# Altium PCB 小车PCB升级1.PcbDoc (part 1 of 4)
Units mm, origin at the board's own origin, x right, y up, seen from the top; angles counter-clockwise.
Board outline 300 x 206 mm, 2 copper layers (Top Layer, Bottom Layer); 354 components, 360 nets, 1479 pads, 401 vias.
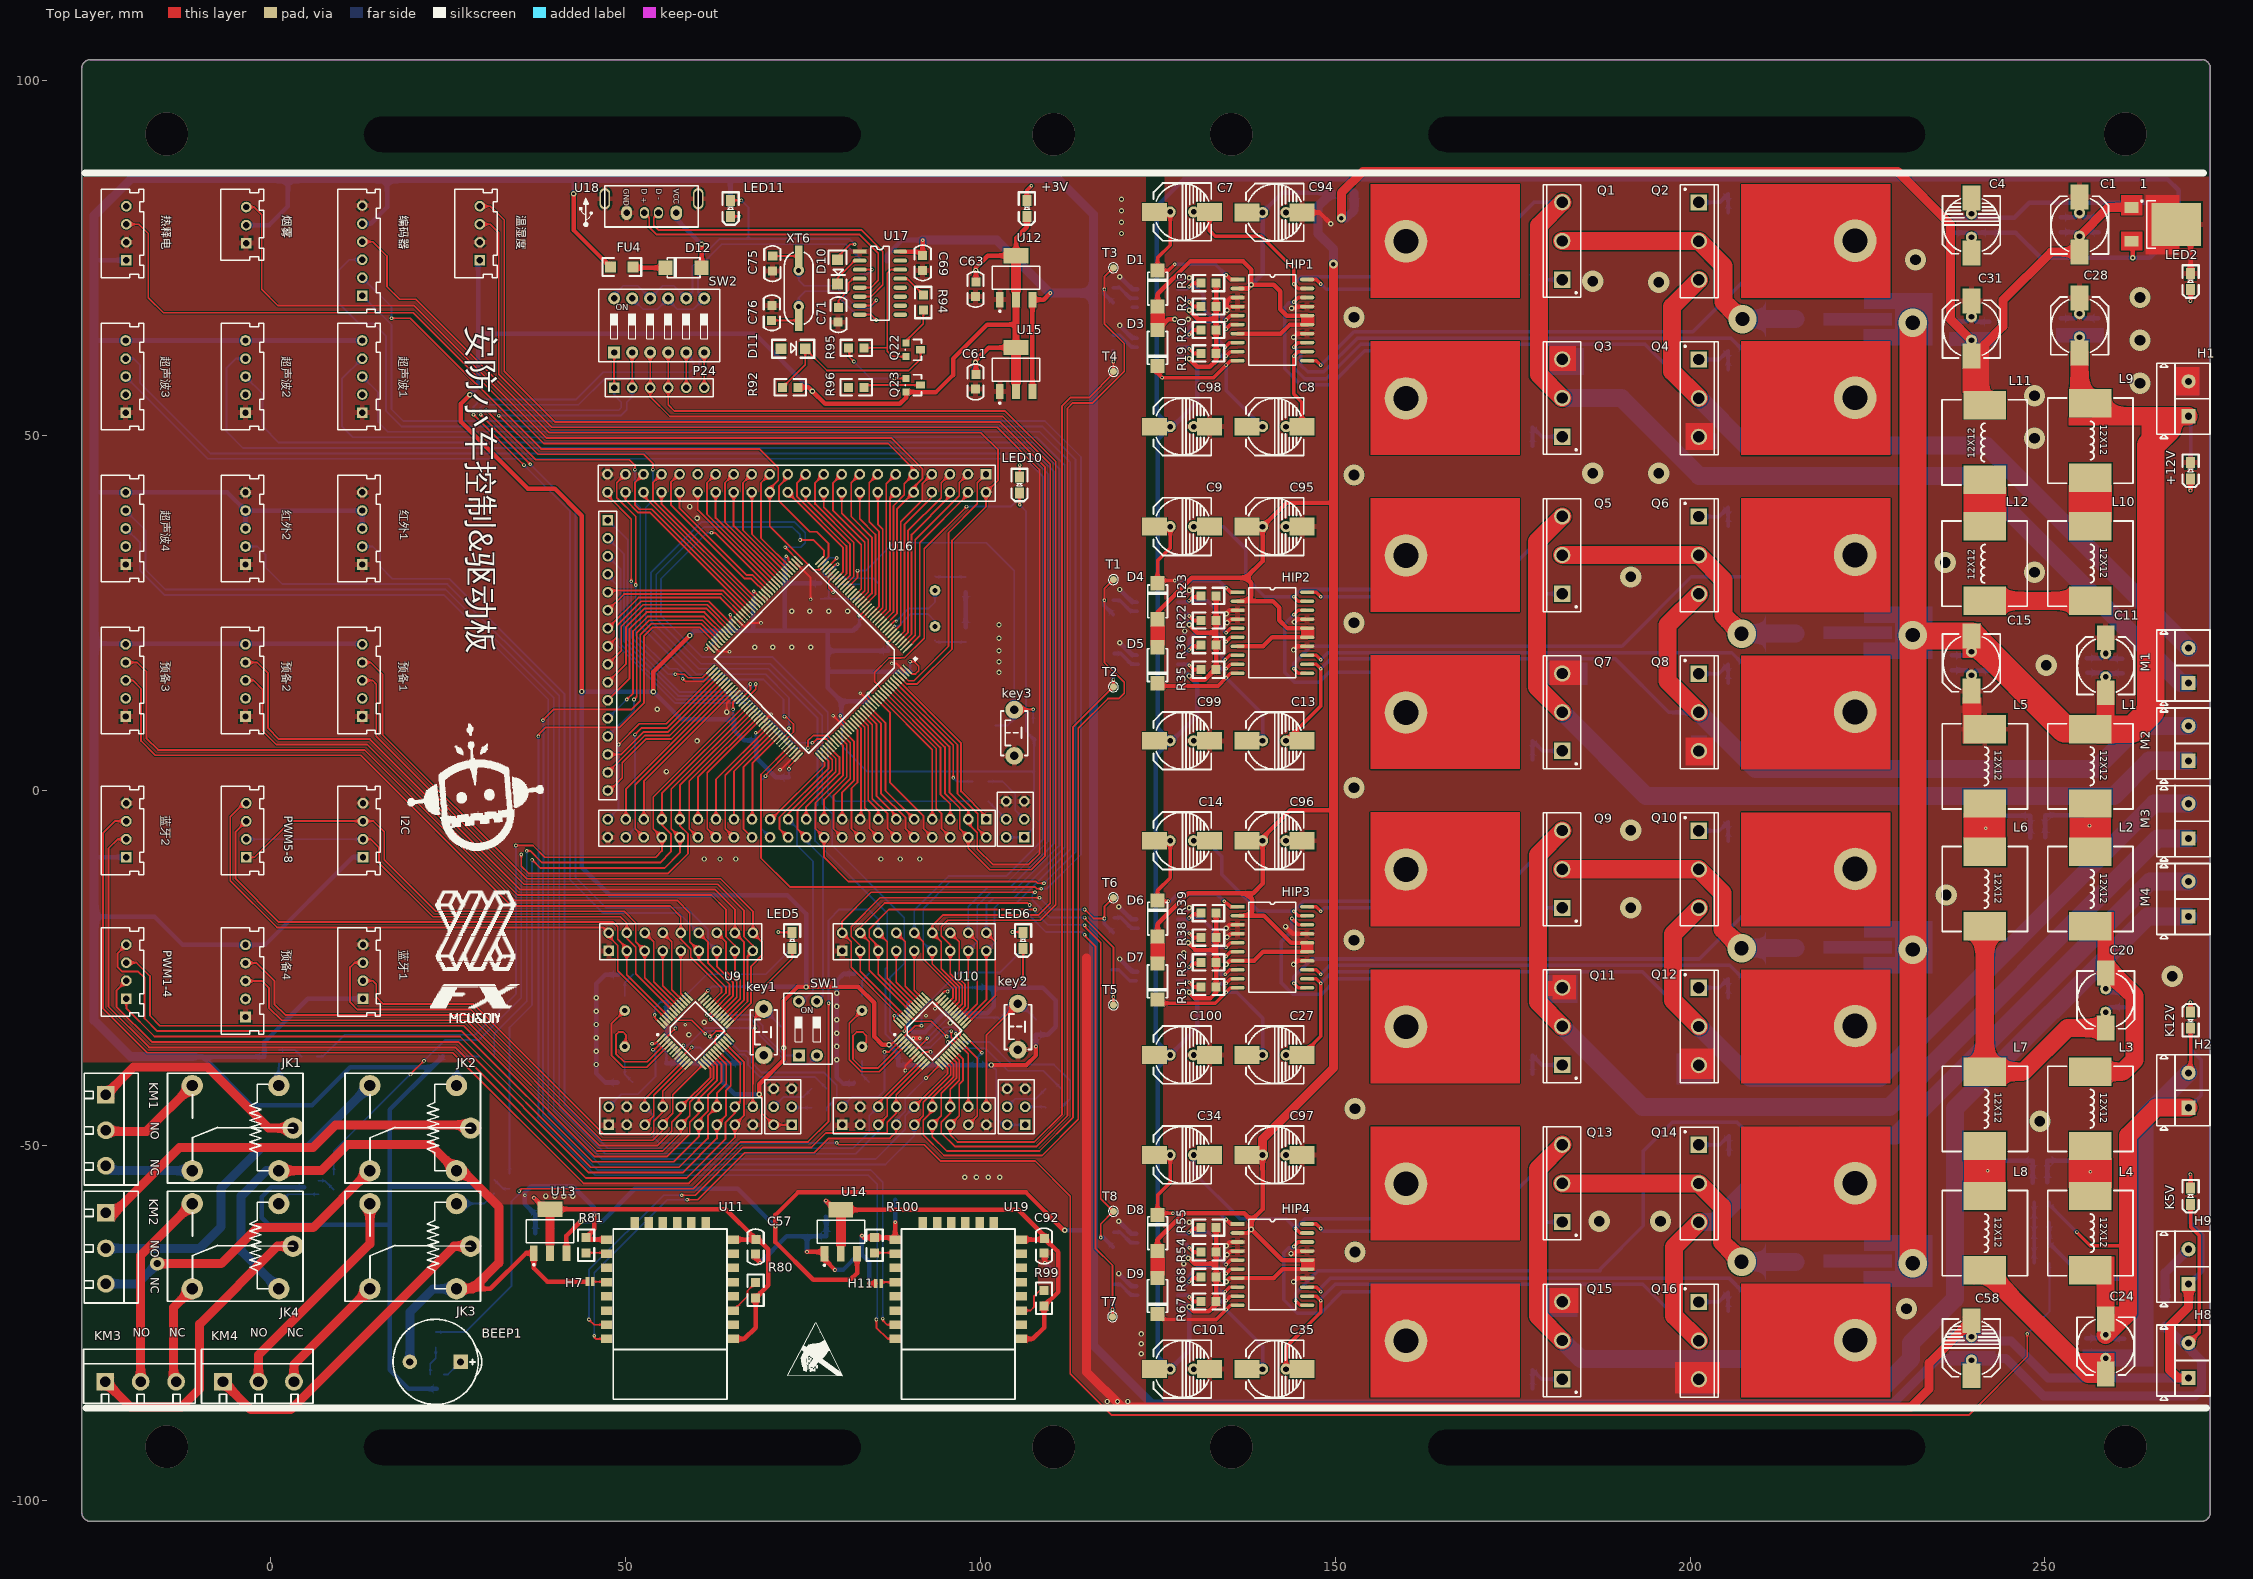
[diagram p0: Top Layer view]
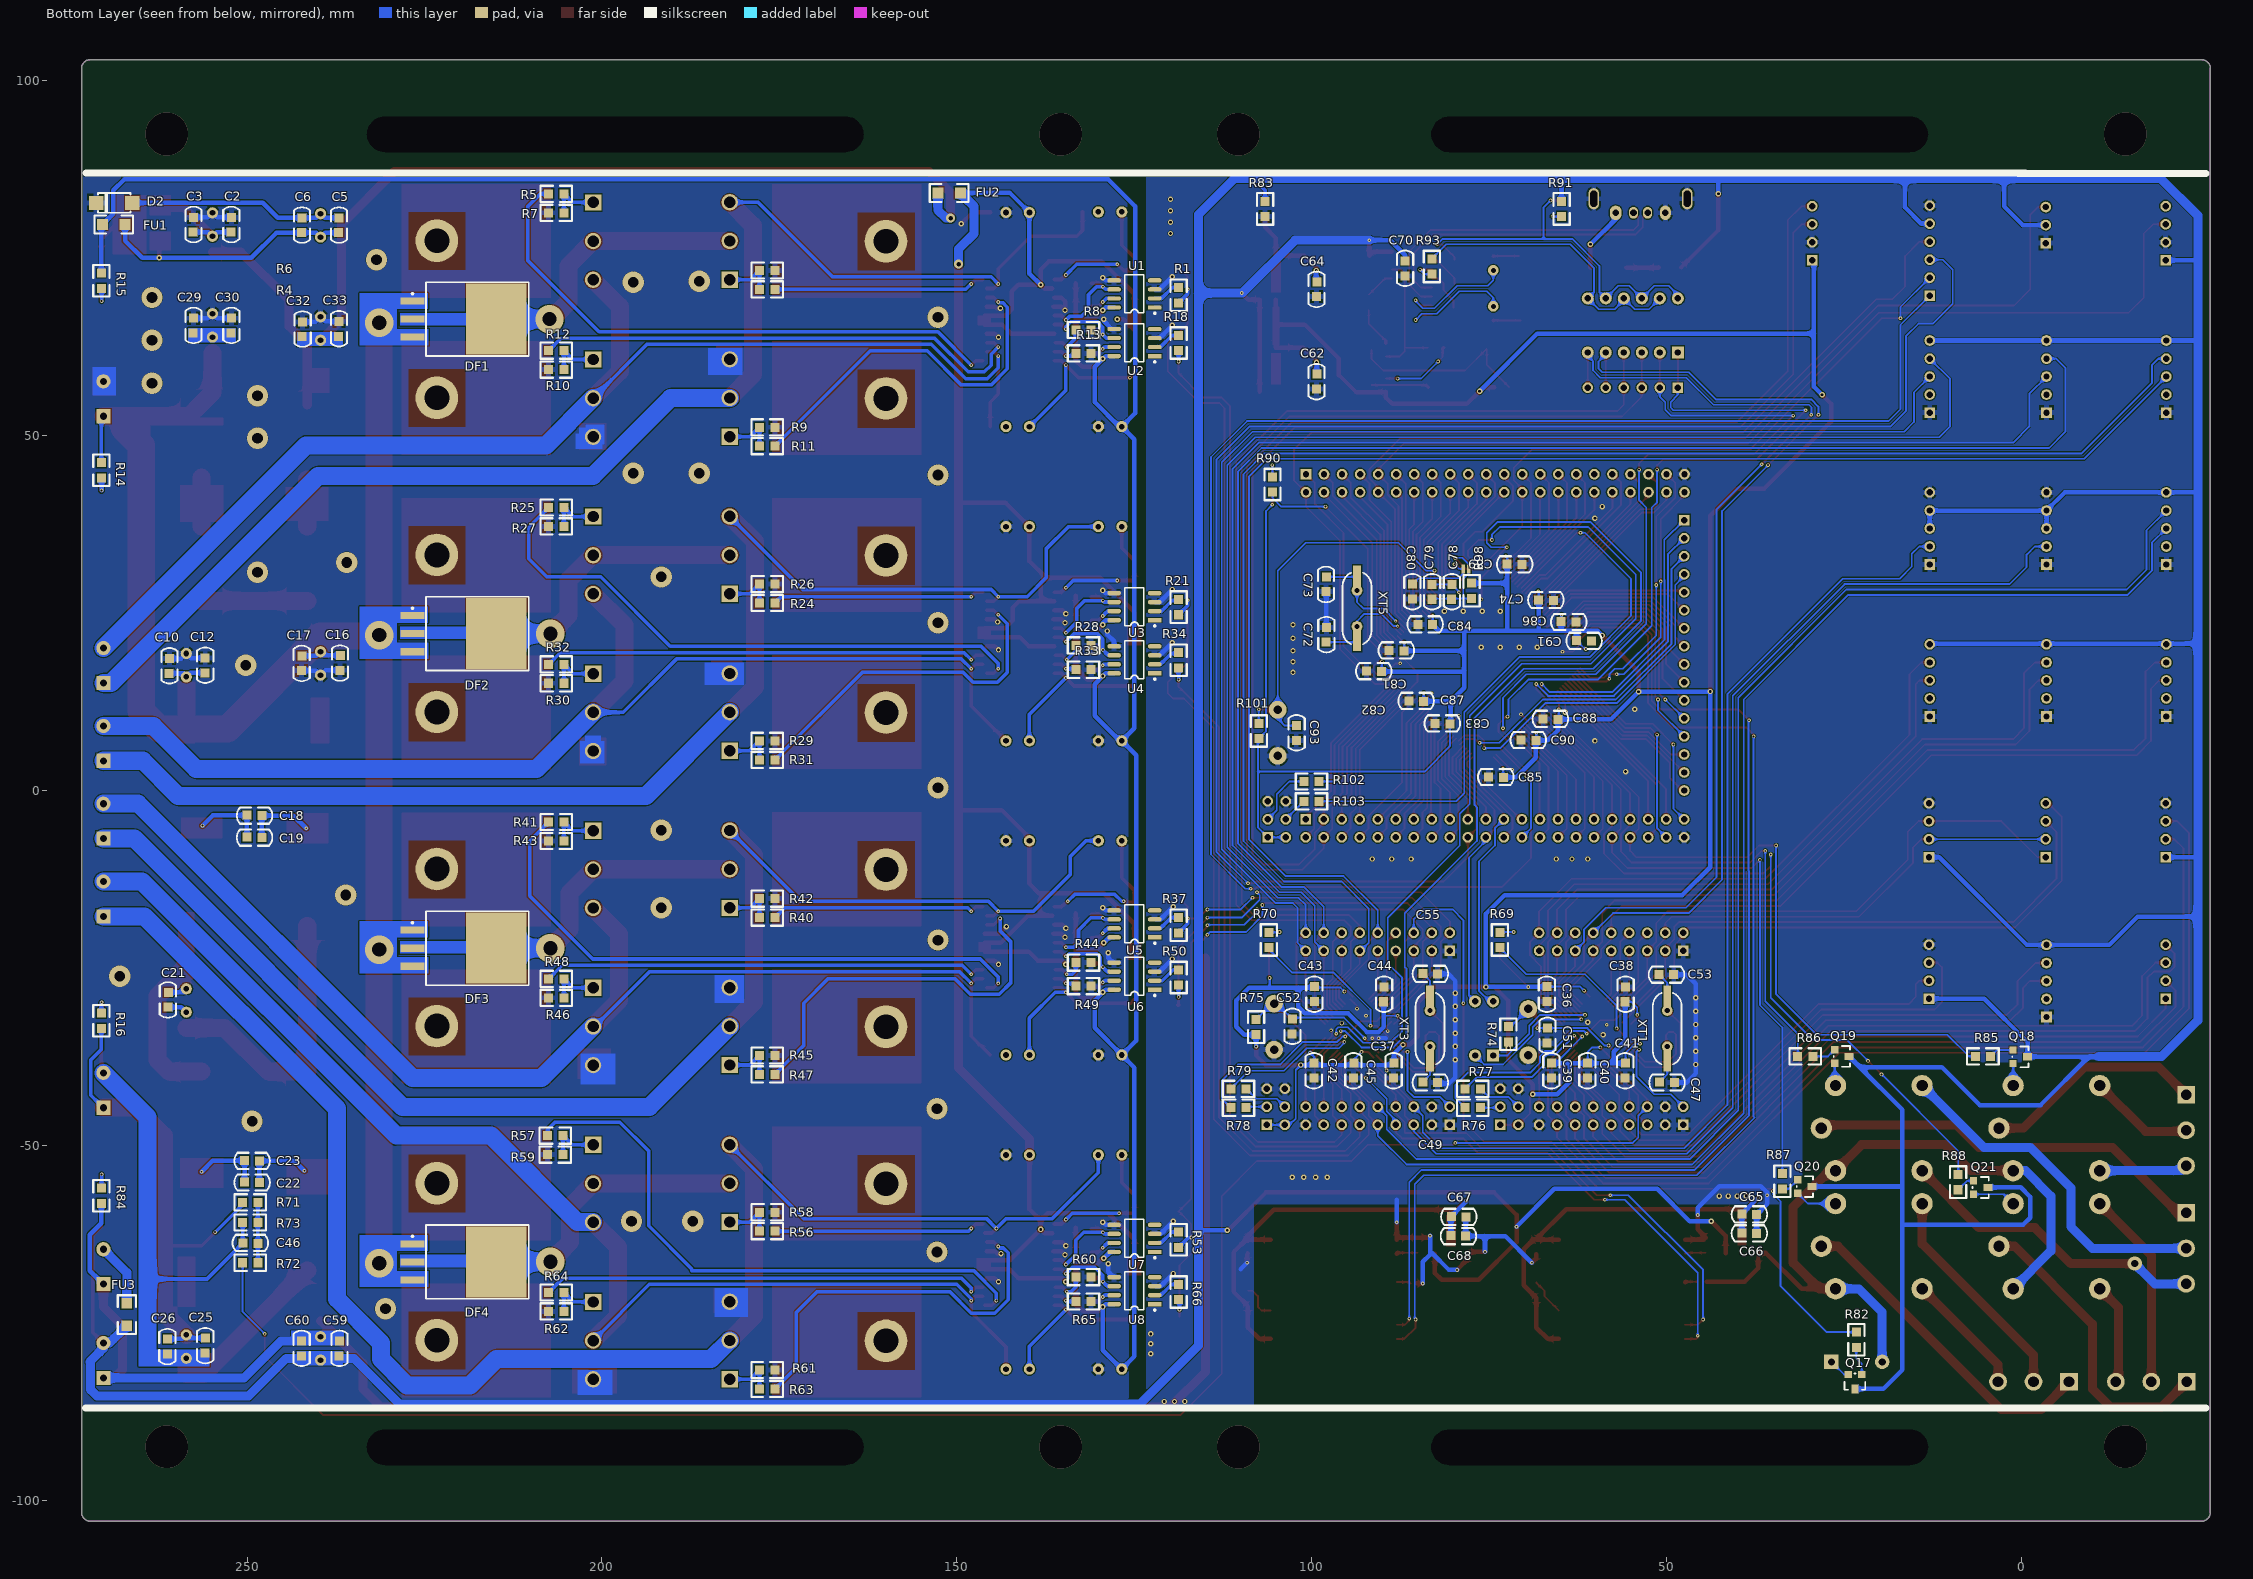
[diagram p1: Bottom Layer view, seen from below]

## Layer stack, top to bottom
Top Solder: solder mask 0.0102, Solder Resist, Dk 3.5
Top Layer: signal copper 0.0356
Dielectric 1: dielectric 0.32, FR-4, Dk 4.8
Bottom Layer: signal copper 0.0356
Bottom Solder: solder mask 0.0102, Solder Resist, Dk 3.5

## Board outline
-26.664,-101.777 -26.664,101.829 cw(c-25.336,101.671) -25.451,103.003 272.18,103.003 cw(c272.022,101.676) 273.335,101.928 273.335,-101.822 273.329,-101.822 cw(c272.001,-101.664) 272.116,-102.997 -25.49,-102.997 -25.49,-102.99 cw(c-25.332,-101.663)

## Design rules (kind name [scope] priority, off if disabled: settings)
Clearance [All] p1: gap=0.152 ignorepadtopadclearanceinfootprint=FALSE except(0: Arc-Hole Track-Hole SMDPad-Hole THPad-Hole Via-Hole Fill-Hole Poly-Hole Region-Hole Text-Hole)
PlaneConnect [InNet('No Net') And OnLayer('Top Layer')] p1: planeconnectstyle=Direct reliefexpansion=0.508 reliefentries=4 reliefconductorwidth=0.254 reliefairgap=0.254
PolygonConnect PolygonConnect_2 [IsVia vs IsPolygon] p1: connectstyle=Relief reliefconductorwidth=0 reliefentries=4 polygonreliefangle="90 Angle" airgapwidth=0
PolygonConnect PolygonConnect_1 [All] p2: connectstyle=Relief reliefconductorwidth=0.762 reliefentries=4 polygonreliefangle="90 Angle" airgapwidth=0.254
PolygonConnect [IsVia] p3: connectstyle=Direct reliefconductorwidth=0.381 reliefentries=4 polygonreliefangle="90 Angle" airgapwidth=0.381
RoutingVias [All] p1: holewidth=0.254 width=0.508 viastyle="Through Hole" minholewidth=0.254 minwidth=0.508 maxholewidth=0.254 maxwidth=0.508
SolderMaskExpansion [All] p1: expansion=0.1
Width [All] p1: maxlimit=5.08 minlimit=0.127 preferedwidth=0.508
29 further rules are at their usual default settings.

## Classes and differential pairs
component class 小车主板原理图: C69 C70 C71 C72 C73 C74 C75 C76 C78 C79 C80 C81 C82 C83 C84 C85 C86 C87 C88 C89 C90 C91 C92 C93 D10 D11 D12 FU4 H11 key3 LED10 LED11 Q22 Q23 R90 R91 R92 R93 R94 R95 R96 R98 R99 R100 R101 R102 R103 U16 U17 U19 XT5 XT6
component class 小车主板原理图3: +3V C58 C59 C60 C61 C62 C63 C64 C65 C66 C67 C68 FU3 H8 H9 JK1 JK2 JK3 JK4 K5V KM1 KM2 KM3 KM4 P24 Q18 Q19 Q20 Q21 R83 R84 R85 R86 R87 R88 SW2 T1 T2 T3 T4 T5 T6 T7 T8 U12 U13 U14 U15 编码器
component class 小车主板原理图2: BEEP1 C36 C37 C38 C39 C40 C41 C42 C43 C44 C45 C46 C47 C49 C51 C52 C53 C55 C57 H7 key1 key2 LED5 LED6 Q17 R69 R70 R71 R72 R73 R74 R75 R76 R77 R78 R79 R80 R81 R82 SW1 U9 U10 U11 XT1 XT3
component class 小车主板原理图1: 1 +12V C1 C2 C3 C4 C5 C6 C7 C8 C9 C10 C11 C12 C13 C14 C15 C16 C17 C18 C19 C20 C21 C22 C23 C24 C25 C26 C27 C28 C29 C30 C31 C32 C33 C34 C35 C94 C95 C96 C97 C98 C99 C100 C101 D1 D2 D3 D4 D5 D6 D7 D8 D9 DF1 DF2 DF3 DF4 FU1 FU2 H1 H2 HIP1 HIP2 HIP3 HIP4 K12V L1 L2 L3 L4 L5 L6 L7 L8 L9 L10 L11 L12 LED2 M1 M2 M3 M4 Q1 Q2 Q3 Q4 Q5 Q6 Q7 Q8 Q9 Q10 Q11 Q12 Q13 Q14 Q15 Q16 R1 R2 R3 R4 R5 R6 R7 R8 R9 R10 R11 R12 R13 R14 R15 R16 R18 R19 R20 R21 R22 R23 R24 R25 R26 R27 R28 R29 R30 R31 R32 R33 R34 R35 R36 R37 R38 R39 R40 R41 R42 R43 R44 R45 R46 R47 R48 R49 R50 R51 R52 R53 R54 R55 R56 R57 R58 R59 R60 R61 R62 R63 R64 R65 R66 R67 R68 U1 U2 U3 U4 U5 U6 U7 U8

## Components (designator, comment, footprint, x,y, rotation, side; value= is the part's Value field where it differs from the comment)
1 "7805" TO-252-2 265.968,79.756 r0 top
+3V "LED" 0805D 106.553,82.017 r90 top (schematic designator LED7)
+12V "+12V" 0805D 270.535,45.06 r90 top (schematic designator LED1)
BEEP1 "5V有源蜂鸣器" 5V蜂鸣器 23.241,-80.518 r180 top
C1 "220uF" CD-8*8-无极性 254.889,79.68 r0 top
C2 "0.1uf" 0805C 252.095,80.772 r270 bottom
C3 "10pF" 0805C 257.429,80.772 r270 bottom
C4 "470uF" CD-8*8-2 239.649,79.701 r180 top
C5 "0.1uF" 0805C 236.931,80.696 r270 bottom
C6 "10pF" 0805C 242.138,80.696 r270 bottom
C7 "10uF" CD-8*8-2 128.473,81.534 r90 top
C8 "10uF" CD-8*8-2 141.49,51.272 r90 top
C9 "10uF" CD-8*8-2 128.473,37.185 r90 top
C10 "10pF" 0805C 260.807,18.593 r270 bottom
C11 "220uF" CD-8*8-无极性 258.572,17.581 r0 top
C12 "0.1uf" 0805C 255.778,18.669 r270 bottom
C13 "10uF" CD-8*8-2 141.49,7.003 r90 top
C14 "10uF" CD-8*8-2 128.473,-7.084 r90 top
C15 "220uF" CD-8*8-无极性 239.649,17.979 r180 top
C16 "0.1uf" 0805C 237.033,16.942 r90 bottom
C17 "10pF" 0805C 242.443,16.891 r90 bottom
C18 "0.1uf" 0805C 247.939,-3.663 r0 bottom
C19 "10pF" 0805C 247.939,-6.762 r0 bottom
C20 "220uF" CD-8*8-无极性 258.572,-29.515 r180 top
C21 "10pF" 0805C 261.29,-30.531 r90 bottom
C22 "0.1uf" 0805C 248.285,-55.372 r0 bottom
C23 "10pF" 0805C 248.285,-52.324 r0 bottom
C24 "220uF" CD-8*8-无极性 258.572,-78.287 r180 top
C25 "0.1uf" 0805C 256.032,-79.248 r90 bottom
C26 "10pF" 0805C 261.366,-79.375 r90 bottom
C27 "10uF" CD-8*8-2 141.49,-37.265 r90 top
C28 "220uF" CD-8*8-无极性 254.889,65.46 r0 top
C29 "0.1uf" 0805C 257.429,66.548 r270 bottom
C30 "10pF" 0805C 252.095,66.548 r270 bottom
C31 "220uF" CD-8*8-无极性 239.649,65.024 r0 top
C32 "0.1uf" 0805C 242.062,66.04 r270 bottom
C33 "10pF" 0805C 236.931,66.091 r270 bottom
C34 "10uF" CD-8*8-2 128.473,-51.353 r90 top
C35 "10uF" CD-8*8-2 141.49,-81.534 r90 top
C36 "104" 0805C 66.98,-29.718 r90 bottom
C37 "104" 0805C 88.57,-40.513 r90 bottom
C38 "104" 0805C 55.626,-27.686 r270 bottom
C39 "104" 0805C 66.345,-40.513 r90 bottom
C40 "104" 0805C 61.265,-40.513 r90 bottom
C41 "104" 0805C 55.931,-40.513 r90 bottom
C42 "104" 0805C 99.822,-40.513 r90 bottom
C43 "104" 0805C 99.746,-29.718 r90 bottom
C44 "104" 0805C 89.662,-27.686 r270 bottom
C45 "104" 0805C 94.234,-40.513 r90 bottom
C46 "CAP" 0805C 250.571,-63.627 r180 bottom
C47 "20" 0805C 48.895,-41.275 r0 bottom
C49 "20" 0805C 82.245,-41.275 r0 bottom
C51 "104" 0805C 66.624,-33.477 r270 bottom
C52 "104" 0805C 102.565,-32.207 r270 bottom
C53 "20" 0805C 48.971,-26.086 r0 bottom
C55 "20" 0805C 82.245,-25.959 r0 bottom
C57 "104" 0805C 68.199,-65.329 r90 top
C58 "470uF" CD-8*8-2 239.649,-78.541 r180 top
C59 "0.1uF" 0805C 236.855,-77.597 r270 bottom
C60 "10p" 0805C 242.189,-77.597 r270 bottom
C61 "104" 0805C 99.187,56.55 r90 top
C62 "10uF" 0805C 99.441,56.591 r90 bottom
C63 "104" 0805C 99.187,69.596 r90 top
C64 "10uF" 0805C 99.441,69.596 r90 bottom
C65 "104" 0805C 37.287,-59.868 r0 bottom
C66 "10uF" 0805C 37.287,-62.535 r0 bottom
C67 "104" 0805C 78.232,-60.198 r0 bottom
C68 "10uF" 0805C 78.288,-62.916 r0 bottom
C69 "104" 0805C 91.999,75.362 r270 top
C70 "10uF" 0805C 86.69,74.6 r270 bottom
C71 "104" 0805C 80.137,68.072 r270 top
C72 "10" 0805C 97.79,22.987 r270 bottom
C73 "10" 0805C 98.095,28.016 r90 bottom
C74 "104" 0805C 67.996,26.975 r180 bottom
C75 "22" 0805C 70.561,73.228 r90 top
C76 "22" 0805C 70.739,68.326 r270 top
C78 "10uF" 0805C 80.103,29.032 r270 bottom
C79 "104" 0805C 82.889,29.032 r270 bottom
C80 "104" 0805C 85.928,27 r90 bottom
C81 "104" 0805C 89.078,19.863 r180 bottom
C82 "104" 0805C 92.253,16.942 r180 bottom
C83 "104" 0805C 82.601,9.576 r180 bottom
C84 "104" 0805C 85.014,23.546 r180 bottom
C85 "104" 0805C 75.057,2.032 r180 bottom
C86 "104" 0805C 62.738,23.622 r0 bottom
C87 "104" 0805C 86.284,12.751 r180 bottom
C88 "104" 0805C 67.361,10.211 r180 bottom
C89 "104" 0805C 70.358,31.75 r0 bottom
C90 "104" 0805C 70.485,7.239 r180 bottom
C91 "104" 0805C 60.579,20.955 r0 bottom
C92 "104" 0805C 108.839,-65.202 r90 top
C93 "104" 0805C 101.981,9.144 r270 bottom
C94 "470uF" CD-8*8-2 141.49,81.453 r90 top
C95 "470uF" CD-8*8-2 141.49,37.185 r90 top
C96 "470uF" CD-8*8-2 141.49,-7.084 r90 top
C97 "470uF" CD-8*8-2 141.49,-51.353 r90 top
C98 "220uF" CD-8*8-2 128.473,51.272 r90 top
C99 "220uF" CD-8*8-2 128.473,7.003 r90 top
C100 "220uF" CD-8*8-2 128.473,-37.265 r90 top
C101 "220uF" CD-8*8-2 128.473,-81.534 r90 top
D1 "D" "DO-214-M7-  4007贴片" 124.968,70.612 r270 top
D2 "D" "DO-214-M7-  4007贴片" 268.605,82.804 r180 bottom
D3 "D" "DO-214-M7-  4007贴片" 124.968,62.484 r90 top
D4 "D" "DO-214-M7-  4007贴片" 124.968,26.543 r270 top
D5 "D" "DO-214-M7-  4007贴片" 124.968,17.78 r90 top
D6 "D" "DO-214-M7-  4007贴片" 124.968,-18.161 r270 top
D7 "D" "DO-214-M7-  4007贴片" 124.968,-26.797 r90 top
D8 "D" "DO-214-M7-  4007贴片" 124.968,-62.484 r270 top
D9 "D" "DO-214-M7-  4007贴片" 124.968,-71.12 r90 top
D10 "D" 1206D 79.883,74.803 r270 top
D11 "D" 1206D 71.882,62.255 r0 top
D12 "D" "DO-214-M7-  4007贴片" 58.293,73.66 r0 top
DF1 "DF?" TO263 220.472,66.421 r180 bottom
DF2 "DF?" TO263 220.472,22.098 r180 bottom
DF3 "DF?" TO263 220.472,-22.225 r180 bottom
DF4 "DF?" TO263 220.472,-66.421 r180 bottom
FU1 "FUSE" 1206 267.081,79.756 r0 bottom
FU2 "FUSE" 1206 149.352,84.201 r0 bottom
FU3 "FUSE" 1206 266.954,-72.136 r270 bottom
FU4 "1A" 1206 47.752,73.768 r0 top
H1 "12V驱动电源" KF301接线端子 273.253,50.198 r90 top
H2 "12VMCU电源" KF301接线端子 273.253,-47.244 r90 top
H7 "2脚" 2P 45.01,-69.24 r0 top
H8 "VCC5VOUT" KF301接线端子 273.253,-85.311 r90 top
H9 "VCC5VINT" KF301接线端子 273.253,-72.103 r90 top
H10 "2脚" 2P 78.232,31.217 r180 bottom
H11 "2脚" 2P 85.65,-69.494 r0 top
HIP1 "HIP4081" SOP-20.. 136.25,72.009 r0 top
HIP2 "HIP4081" SOP-20.. 136.25,27.938 r0 top
HIP3 "HIP4081" SOP-20.. 136.25,-16.383 r0 top
HIP4 "HIP4081" SOP-20.. 136.25,-61.087 r0 top
I2C "I2C" PZ_XH-2.54-4P 12.996,-6.858 r90 top (schematic designator P11)
JK1 "" SRD-C_B 1.143,-53.581 r180 top
JK2 "" SRD-C_B 26.17,-53.581 r180 top
JK3 "" SRD-C_B 26.17,-70.218 r180 top
JK4 "" SRD-C_B 1.143,-70.218 r180 top
K5V "LED" 0805D 270.535,-57.175 r90 top (schematic designator LED8)
K12V "+MCU12V" 0805D 270.535,-32.36 r270 top (schematic designator LED3)
key1 "KEY" 按键DIP-3*6*5 69.469,-34.036 r90 top
key2 "KEY" 按键DIP-3*6*5 105.283,-33.274 r90 top
key3 "KEY" 按键DIP-3*6*5 104.775,8.128 r90 top
KM1 "HDR-1X3" KF301-3P -23.241,-42.879 r270 top (schematic designator JP1)
KM2 "HDR-1X3" KF301-3P -23.241,-59.516 r270 top (schematic designator JP2)
KM3 "HDR-1X3" KF301-3P -23.335,-83.312 r0 top (schematic designator JP3)
KM4 "HDR-1X3" KF301-3P -6.731,-83.312 r0 top (schematic designator JP4)
L1 "L" 12*12电感 250.419,9.398 r270 top
L2 "L" 12*12电感 250.419,-7.874 r270 top
L3 "L" 12*12电感 250.419,-38.862 r270 top
L4 "L" 12*12电感 250.419,-56.388 r270 top
L5 "L" 12*12电感 235.534,9.398 r270 top
L6 "L" 12*12电感 235.534,-7.874 r270 top
L7 "L" 12*12电感 235.534,-38.862 r270 top
L8 "L" 12*12电感 235.534,-56.388 r270 top
L9 "L" 12*12电感 250.419,55.307 r270 top
L10 "L" 12*12电感 250.419,37.973 r270 top
L11 "L" 12*12电感 247.523,43.053 r90 top
L12 "L" 12*12电感 247.523,25.973 r90 top
LED2 "+5V" 0805D 270.535,71.73 r90 top
LED5 "LED" 0805D 73.481,-21.134 r90 top
LED6 "LED" 0805D 106.015,-21.134 r90 top
LED10 "LED" 0805D 105.507,43.053 r90 top
LED11 "LED" 0805D 64.795,82.017 r90 top
M1 "M1接线端子" KF301接线端子 273.253,12.606 r90 top (schematic designator H3)
M2 "M2接线端子" KF301接线端子 273.253,1.642 r90 top (schematic designator H4)
M3 "M3接线端子" KF301接线端子 273.253,-9.323 r90 top (schematic designator H5)
M4 "M4接线端子" KF301接线端子 273.253,-20.287 r90 top (schematic designator H6)
P1 "" HDR2X9 47.625,-22.606 r0 top
P2 "" HDR2X9 47.625,-47.117 r0 top
P5 "Header 9X2" HDR2X9 80.518,-47.117 r0 top
P6 "Header 9X2" HDR2X9 80.518,-22.606 r0 top
P12 "Header 3X2" HDR2X3 73.406,-47.117 r90 top
P13 "Header 3X2" HDR2X3 106.299,-47.117 r90 top
P24 "Header 6" HDR1X6 48.387,56.769 r0 top
P26 "Header 22X2" HDR2X22 100.788,44.577 r180 top
P27 "Header 22X2" HDR2X22 100.838,-4.064 r180 top
P28 "Header 16" HDR1X16 47.498,38.1 r270 top
P29 "Header 3X2" HDR2X3 106.172,-6.604 r90 top
PWM1-4 "PWM1—4" PZ_XH-2.54-4P -20.347,-26.797 r90 top (schematic designator P3)
PWM5-8 "PWM5—8" PZ_XH-2.54-4P -3.456,-6.858 r90 top (schematic designator P9)
Q1 "IRFP260N" "TO-247 - 贴" 181.991,77.44 r90 top
Q2 "IRFP260N" "TO-247 - 贴" 201.244,77.419 r270 top
Q3 "IRFP260N" "TO-247 - 贴" 181.991,55.306 r90 top
Q4 "IRFP260N" "TO-247 - 贴" 201.244,55.285 r270 top
Q5 "IRFP260N" "TO-247 - 贴" 181.991,33.171 r90 top
Q6 "IRFP260N" "TO-247 - 贴" 201.244,33.151 r270 top
Q7 "IRFP260N" "TO-247 - 贴" 181.991,11.037 r90 top
Q8 "IRFP260N" "TO-247 - 贴" 201.244,11.016 r270 top
Q9 "IRFP260N" "TO-247 - 贴" 181.991,-11.097 r90 top
Q10 "IRFP260N" "TO-247 - 贴" 201.244,-11.118 r270 top
Q11 "IRFP260N" "TO-247 - 贴" 181.991,-33.231 r90 top
Q12 "IRFP260N" "TO-247 - 贴" 201.244,-33.252 r270 top
Q13 "IRFP260N" "TO-247 - 贴" 181.991,-55.366 r90 top
Q14 "IRFP260N" "TO-247 - 贴" 201.244,-55.387 r270 top
Q15 "IRFP260N" "TO-247 - 贴" 181.991,-77.5 r90 top
Q16 "IRFP260N" "TO-247 - 贴" 201.244,-77.521 r270 top
Q17 "NPN" SOT-23 22.355,-82.28 r0 bottom
Q18 "NPN" SOT-23 1.159,-36.452 r270 bottom
Q19 "NPN" SOT-23 26.305,-36.401 r270 bottom